# Altium PCB xe.PcbDoc (part 1 of 2)
Units mm, origin at the board's own origin, x right, y up, seen from the top; angles counter-clockwise.
Board outline 100.01 x 100.01 mm, 2 copper layers (Top Layer, Bottom Layer); 138 components, 83 nets, 412 pads, 42 vias.
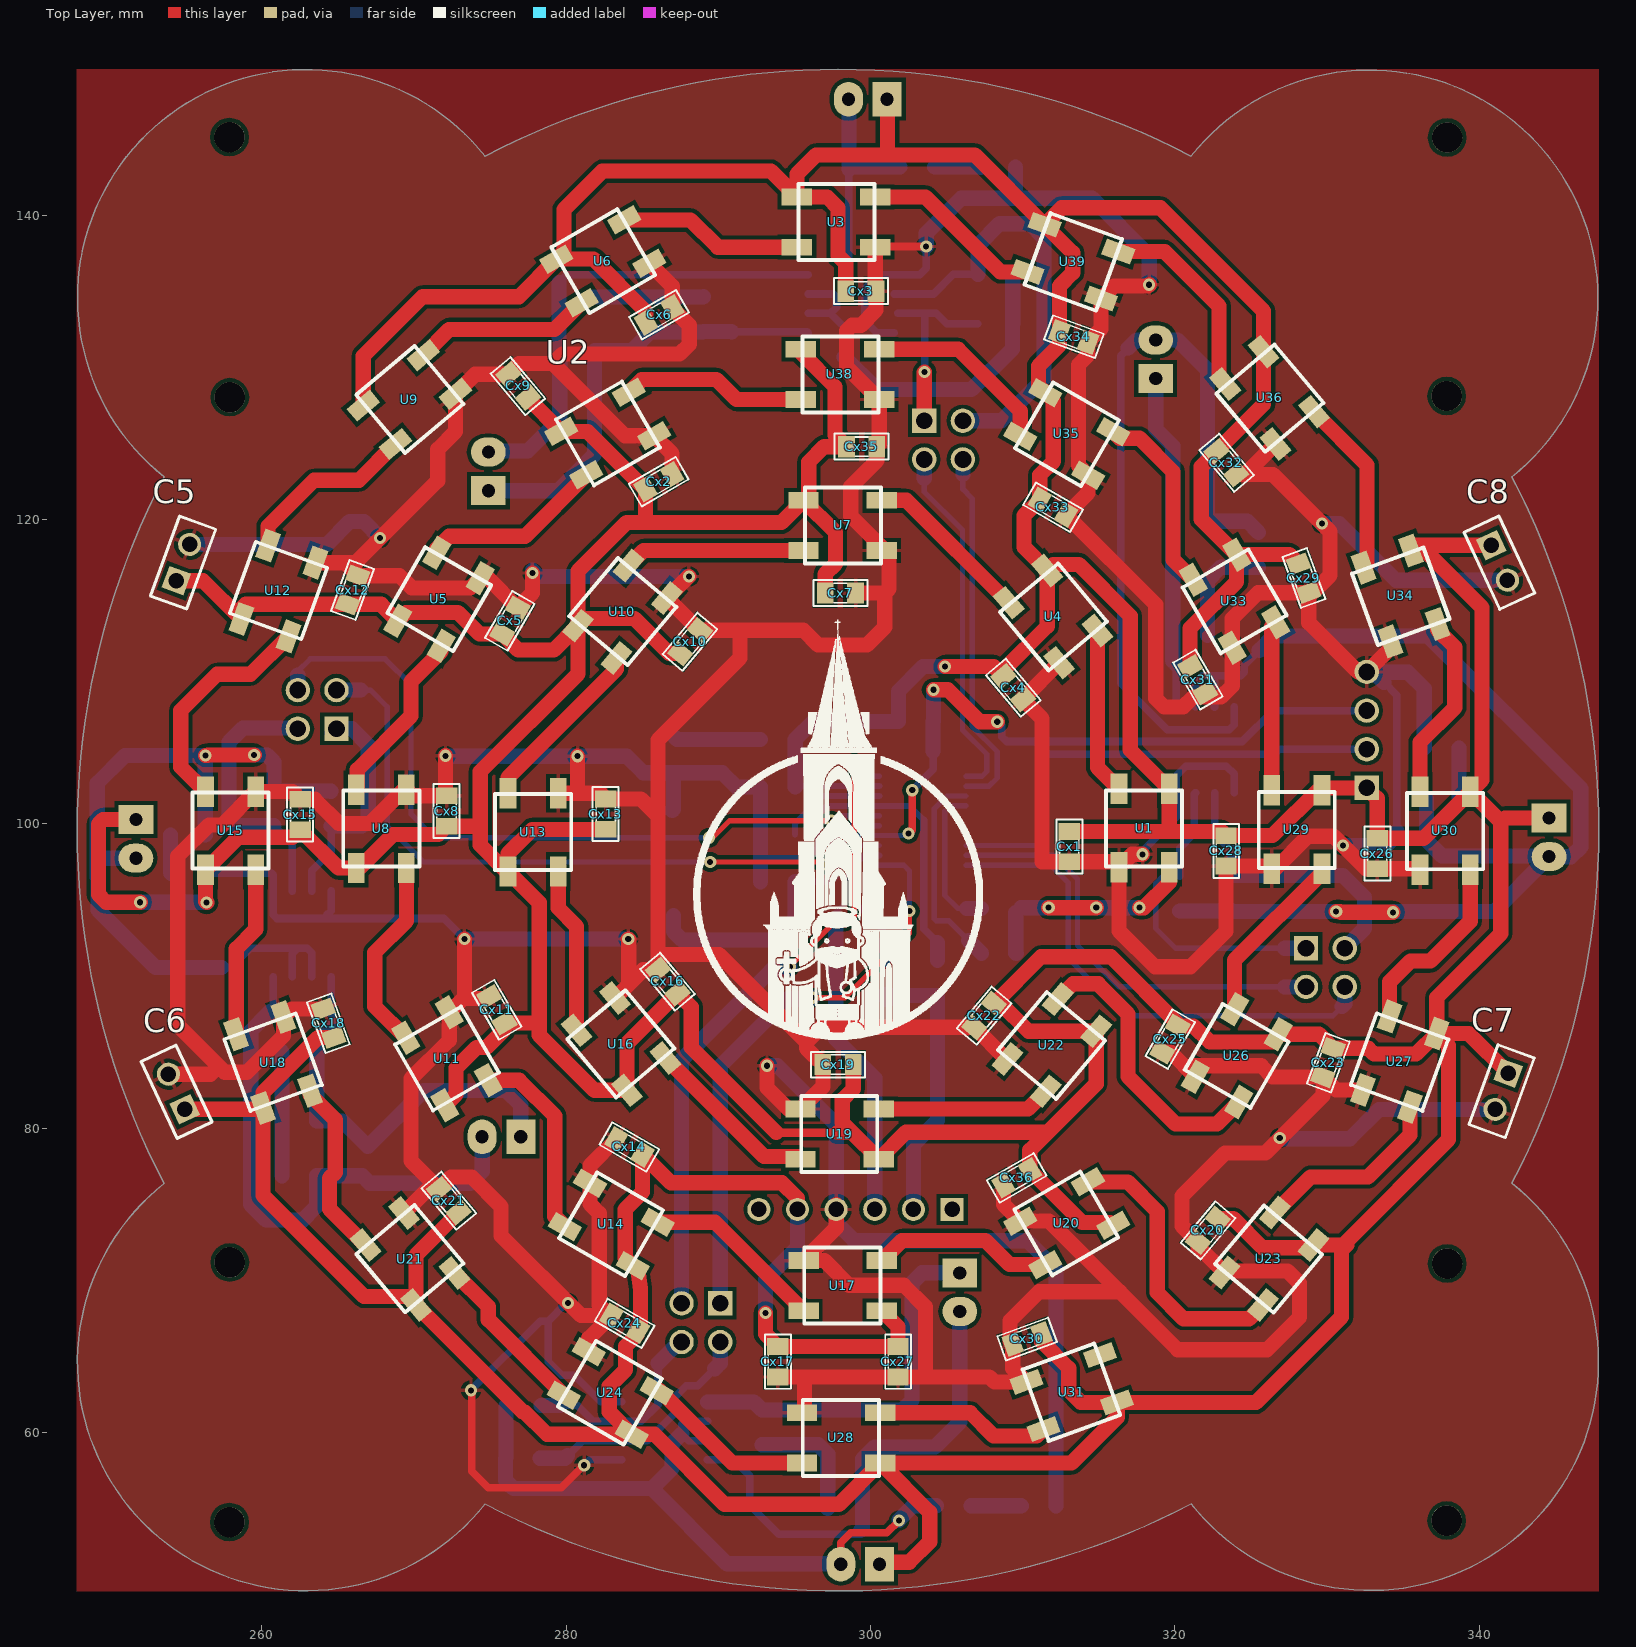
[diagram p0: Top Layer view]
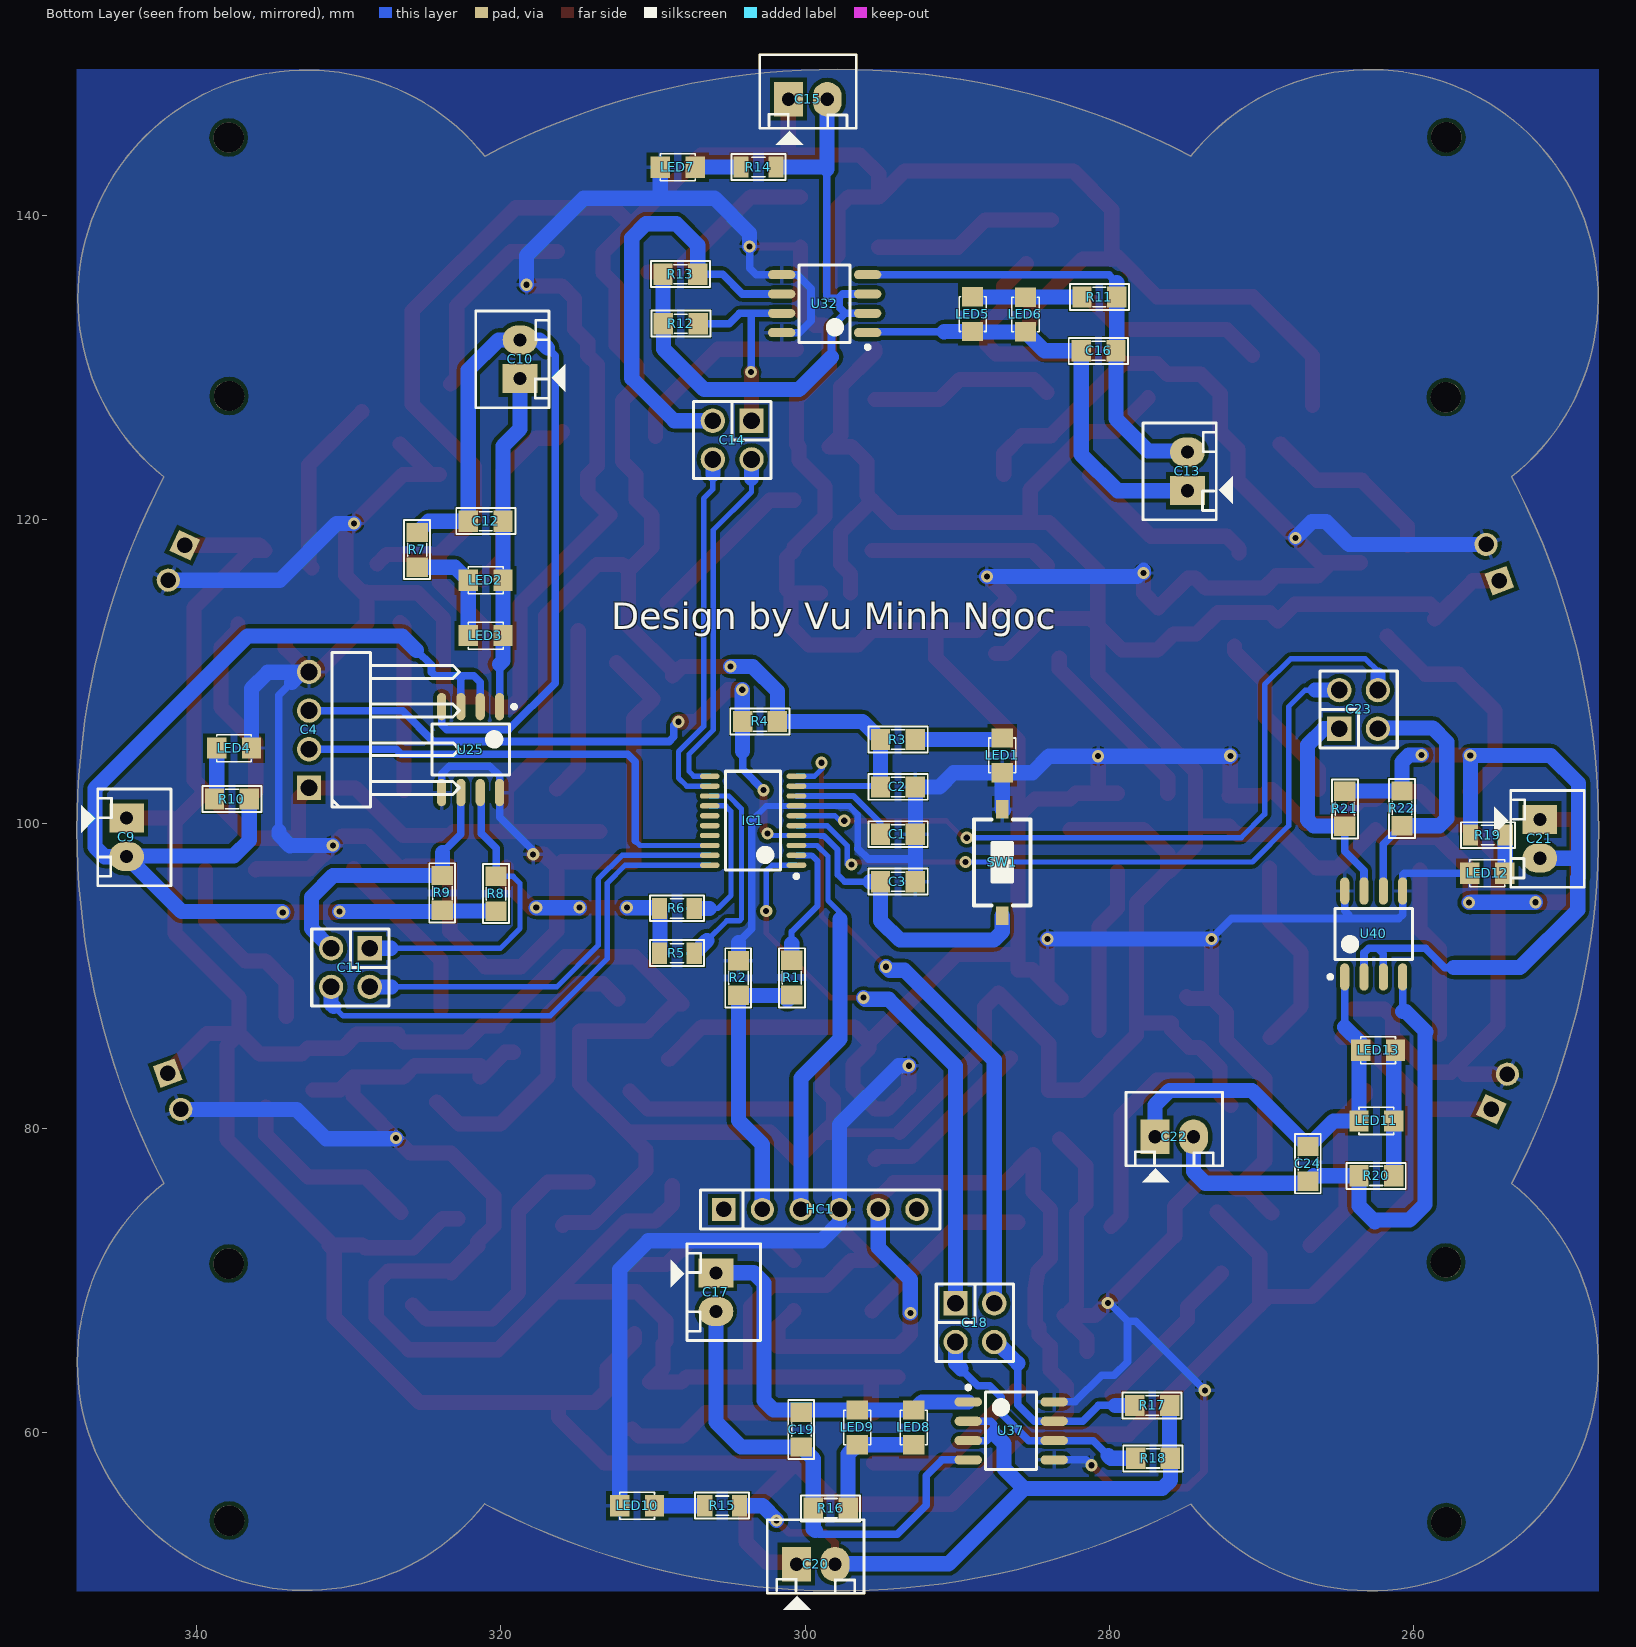
[diagram p1: Bottom Layer view, seen from below]
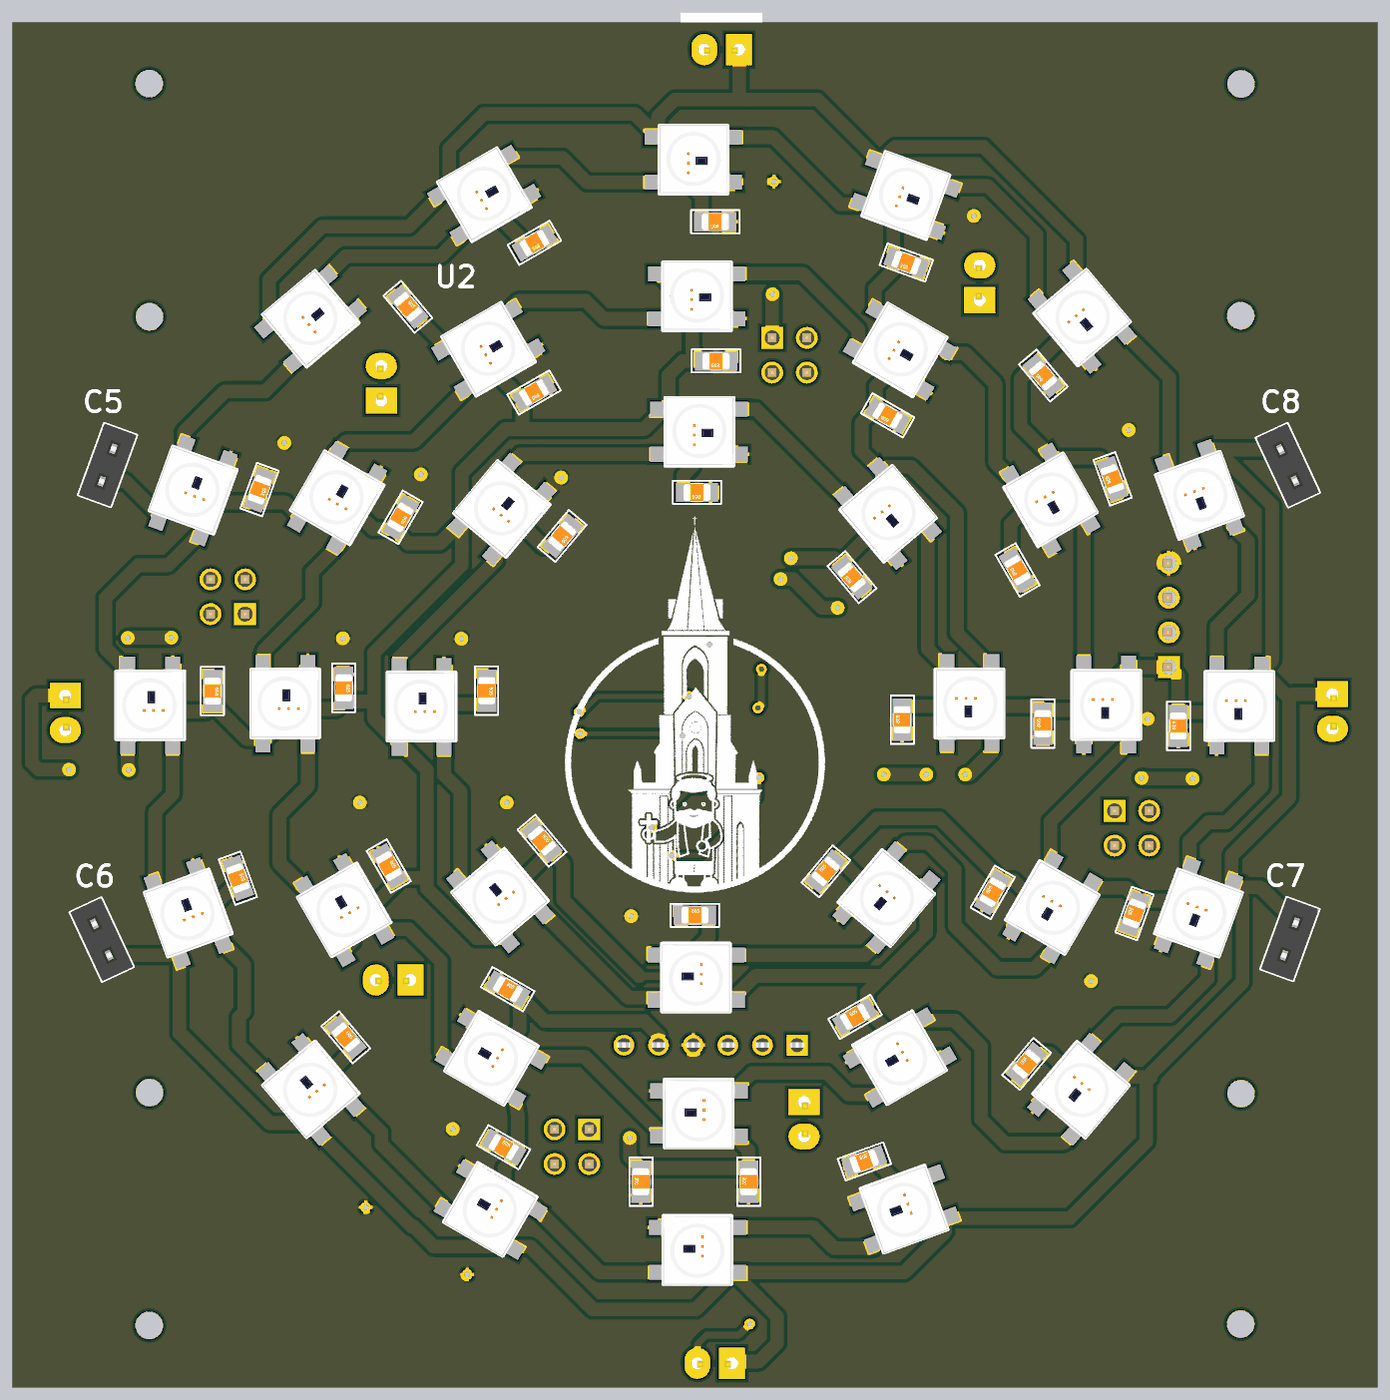
[diagram p3: 3D render of the assembled board from above, using the file's embedded part models]
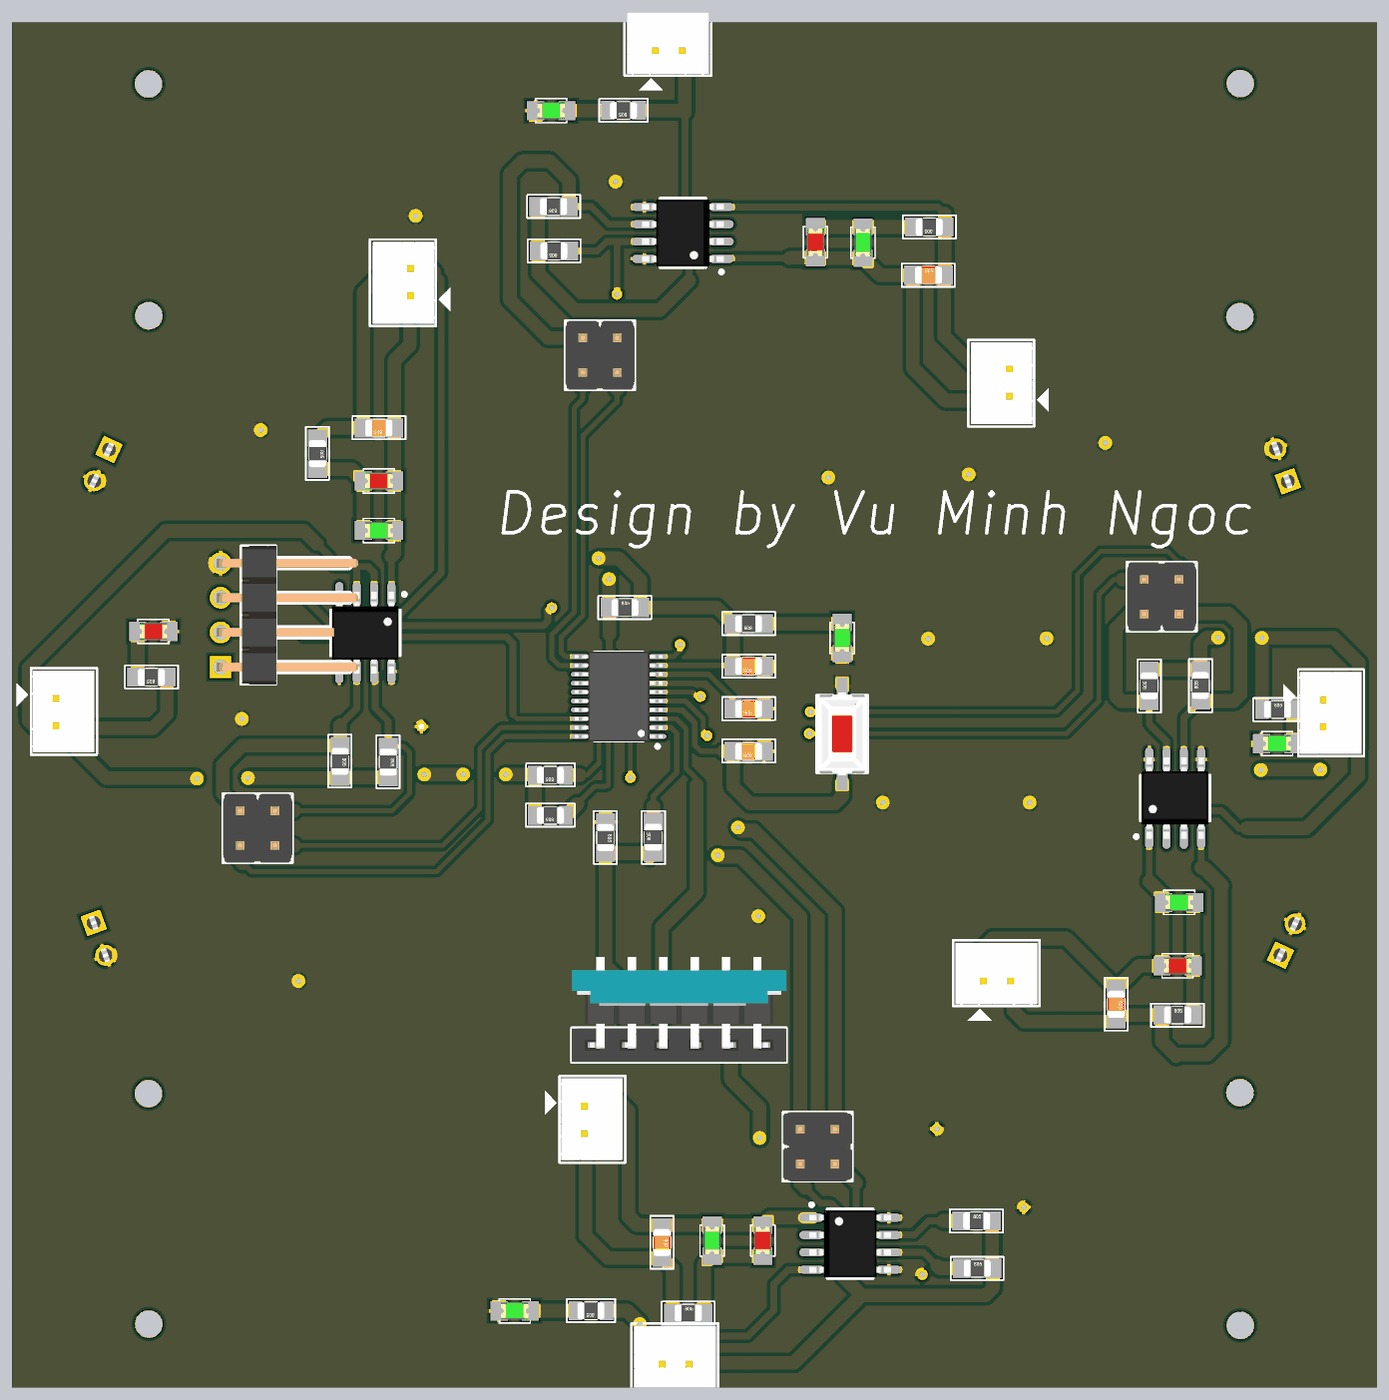
[diagram p4: 3D render of the assembled board from below, using the file's embedded part models]

## Layer stack, top to bottom
Top Solder: solder mask 0.0102, Solder Resist, Dk 3.5
Top Layer: signal copper 0.0356
Dielectric 1: dielectric 0.32, FR-4, Dk 4.8
Bottom Layer: signal copper 0.0356
Bottom Solder: solder mask 0.0102, Solder Resist, Dk 3.5

## Board outline
253.571,76.364 ccw(c262.874,64.59) 266.987,50.157 ccw(c262.876,64.59) 274.653,55.289 ccw(c297.859,99.586) 311.563,51.494 ccw(c297.86,99.586) 321.075,55.295 ccw(c332.837,64.615) 336.95,50.183 ccw(c332.838,64.615) 347.845,64.615 ccw(c332.838,64.615) 342.156,76.379 ccw(c297.86,99.586) 347.867,99.586 ccw(c297.86,99.586) 342.151,122.802 ccw(c332.802,134.54) 347.808,134.54 ccw(c332.802,134.54) 328.689,148.972 ccw(c332.8,134.54) 321.059,143.886 ccw(c297.86,99.586) 297.864,149.593 ccw(c297.863,149.586) 297.862,149.593 ccw(c297.86,99.586) 284.156,147.679 ccw(c297.859,99.586) 274.653,143.882 ccw(c262.885,134.57) 258.772,149.002 ccw(c262.884,134.57) 253.569,122.804 ccw(c297.859,99.586)

## Design rules (kind name [scope] priority, off if disabled: settings)
Clearance [All] p1: gap=0.254 ignorepadtopadclearanceinfootprint=FALSE except(0: Arc-Hole Track-Hole SMDPad-Hole THPad-Hole Via-Hole Fill-Hole Poly-Hole Region-Hole Text-Hole)
PolygonConnect [All] p1: connectstyle=Relief reliefconductorwidth=0.254 reliefentries=4 polygonreliefangle="90 Angle" airgapwidth=0.254
RoutingVias [All] p1: holewidth=0.8 width=1 viastyle="Through Hole" minholewidth=0.2 minwidth=0.2 maxholewidth=0.4 maxwidth=0.8
SolderMaskExpansion [All] p1: expansion=0.102
UnRoutedNet [All] p1: checkbadconnections=TRUE
Width [All] p1: maxlimit=1 minlimit=0.35 preferedwidth=0.5
29 further rules are at their usual default settings.

## Classes and differential pairs
component class xe: C1 C2 C3 C4 C6 C9 C10 C12 C13 C14 C15 C16 C18 C19 C20 C21 C22 C23 C24 Cx1 Cx2 Cx3 Cx4 Cx5 Cx6 Cx7 Cx8 Cx9 Cx10 Cx11 Cx12 Cx13 Cx14 Cx15 Cx16 Cx17 Cx18 Cx19 Cx21 Cx24 Cx26 Cx28 Cx29 Cx31 Cx32 Cx33 Cx34 Cx35 Cx37 Cx38 IC1 LED1 LED2 LED3 LED4 LED5 LED6 LED7 LED8 LED9 LED11 LED12 LED13 R3 R4 R7 R10 R11 R12 R13 R14 R16 R17 R18 R19 R20 R21 R22 SW1 U1 U2 U3 U4 U5 U6 U7 U8 U9 U10 U11 U12 U13 U14 U15 U16 U18 U21 U24 U25 U28 U29 U30 U31 U32 U33 U34 U35 U36 U37 U38 U39 U40 U42

## Components (designator, comment, footprint, x,y, rotation, side; value= is the part's Value field where it differs from the comment)
C1 "104" SM-CAP-0805 292.76,99.306 r0 bottom value=0,1uF/300V
C2 "104" SM-CAP-0805 292.76,102.421 r0 bottom value=0,1uF/300V
C3 "104" SM-CAP-0805 292.76,96.19 r0 bottom value=0,1uF/300V
C4 "JP4" JP4-D1C 330.073,111.252 r90 bottom
C5 "JP2" JP2-C1T 254.376,115.977 r70 top
C6 "JP2" JP2-C1T 254.921,81.239 r115 top
C7 "JP2" JP2-C1T 341.915,83.616 r250 top
C8 "JP2" JP2-C1T 340.792,118.313 r295 top
C9 "Header2" Header2 344.602,100.381 r270 bottom
C10 "Header2" Header2 318.745,129.261 r90 bottom
C11 "JP2x2" JP2-D2T 329.895,90.551 r0 bottom
C12 "10uf" SM-CAP-0805 319.862,119.888 r0 bottom value=0,1uF/300V
C13 "Header2" Header2 274.879,121.895 r90 bottom
C14 "JP2x2" JP2-D2T 304.8,125.222 r0 bottom
C15 "Header2" Header2 301.092,147.625 r180 bottom
C16 "10uf" SM-CAP-0805 281.864,131.089 r180 bottom value=0,1uF/300V
C17 "Header2" Header2 305.867,70.485 r270 bottom
C18 "JP2x2" JP2-D2T 288.849,67.208 r270 bottom
C19 "10uf" SM-CAP-0805 300.253,61.328 r270 bottom value=0,1uF/300V
C20 "Header2" Header2 300.584,51.333 r180 bottom
C21 "Header2" Header2 251.714,100.279 r270 bottom
C22 "Header2" Header2 277.012,79.426 r180 bottom
C23 "JP2x2" JP2-D2T 263.627,107.518 r180 bottom
C24 "10uf" SM-CAP-0805 266.954,78.791 r270 bottom value=0,1uF/300V
Cx1 "104" CN-SMD-0805 313.055,98.501 r90 top value=33pF
Cx2 "104" CN-SMD-0805 286.08,122.479 r210 top value=33pF
Cx3 "104" CN-SMD-0805 299.364,135.001 r180 top value=33pF
Cx4 "104" CN-SMD-0805 309.372,108.941 r130 top value=33pF
Cx5 "104" CN-SMD-0805 276.301,113.335 r240 top value=33pF
Cx6 "104" CN-SMD-0805 286.106,133.452 r210 top value=33pF
Cx7 "104" CN-SMD-0805 298.018,115.164 r180 top value=33pF
Cx8 "104" CN-SMD-0805 272.136,100.838 r270 top value=33pF
Cx9 "104" CN-SMD-0805 276.835,128.778 r310 top value=33pF
Cx10 "104" CN-SMD-0805 288.138,111.963 r230 top value=33pF
Cx11 "104" CN-SMD-0805 275.438,87.782 r300 top value=33pF
Cx12 "104" CN-SMD-0805 265.963,115.367 r250 top value=33pF
Cx13 "104" CN-SMD-0805 282.6,100.635 r270 top value=33pF
Cx14 "104" CN-SMD-0805 284.15,78.765 r330 top value=33pF
Cx15 "104" CN-SMD-0805 262.509,100.609 r270 top value=33pF
Cx16 "104" CN-SMD-0805 286.664,89.637 r310 top value=33pF
Cx17 "104" CN-SMD-0805 293.903,64.643 r90 top value=33pF
Cx18 "104" CN-SMD-0805 264.377,86.893 r290 top value=33pF
Cx19 "104" CN-SMD-0805 297.866,84.176 r0 top value=33pF
Cx20 "104" CN-SMD-0805 322.174,73.279 r50 top value=33pF
Cx21 "104" CN-SMD-0805 272.288,75.235 r310 top value=33pF
Cx22 "104" CN-SMD-0805 307.459,87.397 r50 top value=33pF
Cx23 "104" CN-SMD-0805 330.073,84.303 r70 top value=33pF
Cx24 "104" CN-SMD-0805 283.842,67.175 r330 top value=33pF
Cx25 "104" CN-SMD-0805 319.684,85.852 r60 top value=33pF
Cx26 "104" CN-SMD-0805 333.299,98.044 r90 top value=33pF
Cx27 "104" CN-SMD-0805 301.803,64.643 r90 top value=33pF
Cx28 "104" CN-SMD-0805 323.367,98.222 r90 top value=33pF
Cx29 "104" CN-SMD-0805 328.473,116.154 r110 top value=33pF
Cx30 "104" CN-SMD-0805 310.286,66.142 r20 top value=33pF
Cx31 "104" CN-SMD-0805 321.505,109.472 r120 top value=33pF
Cx32 "104" CN-SMD-0805 323.393,123.723 r130 top value=33pF
Cx33 "104" CN-SMD-0805 311.988,120.802 r150 top value=33pF
Cx34 "104" CN-SMD-0805 313.36,132.004 r160 top value=33pF
Cx35 "104" CN-SMD-0805 299.415,124.79 r180 top value=33pF
Cx36 "104" CN-SMD-0805 309.601,76.733 r30 top value=33pF
HC1 "HC06" HC06 299.136,74.651 r180 bottom
IC1 "STM8S003F3P6" TSSOP20 303.428,100.203 r0 bottom value=24Cxx
LED1 "LED SMD" SM-LED-0805-Green 287.045,105.639 r270 bottom
LED2 "LED" LED-0805-Red 322.148,116.002 r180 bottom value="LED 3 - 5 ly 2 Colour"
LED3 "LED" LED-0805-Green 319.862,112.37 r0 bottom value="LED 3 - 5 ly 2 Colour"
LED4 "LED" LED-0805-Red 338.684,104.978 r180 bottom value="LED 3 - 5 ly 2 Colour"
LED5 "LED" LED-0805-Red 289.001,134.645 r270 bottom value="LED 3 - 5 ly 2 Colour"
LED6 "LED" LED-0805-Green 285.521,132.334 r90 bottom value="LED 3 - 5 ly 2 Colour"
LED7 "LED" LED-0805-Green 307.238,143.154 r0 bottom value="LED 3 - 5 ly 2 Colour"
LED8 "LED" LED-0805-Red 292.862,59.182 r90 bottom value="LED 3 - 5 ly 2 Colour"
LED9 "LED" LED-0805-Green 296.577,61.468 r270 bottom value="LED 3 - 5 ly 2 Colour"
LED10 "LED" LED-0805-Green 309.905,55.169 r0 bottom value="LED 3 - 5 ly 2 Colour"
LED11 "LED" LED-0805-Red 261.315,80.467 r0 bottom value="LED 3 - 5 ly 2 Colour"
LED12 "LED" LED-0805-Green 254.025,96.749 r0 bottom value="LED 3 - 5 ly 2 Colour"
LED13 "LED" LED-0805-Green 263.487,85.115 r180 bottom value="LED 3 - 5 ly 2 Colour"
R1 "1k" SM-RES-0805 300.888,88.748 r90 bottom value="R1/4W - 1K"
R2 "2k" SM-RES-0805 304.394,91.008 r270 bottom value="R1/4W - 1K"
R3 "1k" SM-RES-0805 292.76,105.537 r0 bottom value="R1/4W - 1K"
R4 "1k" SM-RES-0805 304.114,106.731 r180 bottom value="R1/4W - 1K"
R5 "Res" RES-SMD-0805 308.432,91.491 r0 bottom
R6 "Res" RES-SMD-0805 308.432,94.437 r0 bottom
R7 "10k" SM-RES-0805 325.501,119.151 r270 bottom value="R1/4W - 1K"
R8 "1k" SM-RES-0805 320.319,96.545 r270 bottom value="R1/4W - 1K"
R9 "1k" SM-RES-0805 323.85,96.596 r270 bottom value="R1/4W - 1K"
R10 "1k" SM-RES-0805 336.537,101.625 r0 bottom value="R1/4W - 1K"
R11 "10k" SM-RES-0805 279.527,134.62 r0 bottom value="R1/4W - 1K"
R12 "1k" SM-RES-0805 307.035,132.867 r0 bottom value="R1/4W - 1K"
R13 "1k" SM-RES-0805 307.061,136.119 r0 bottom value="R1/4W - 1K"
R14 "Res" RES-SMD-0805 303.073,143.167 r0 bottom
R15 "Res" RES-SMD-0805 305.46,55.181 r0 bottom
R16 "10k" SM-RES-0805 299.466,55.016 r180 bottom value="R1/4W - 1K"
R17 "1k" SM-RES-0805 278.333,61.773 r180 bottom value="R1/4W - 1K"
R18 "1k" SM-RES-0805 278.282,58.293 r180 bottom value="R1/4W - 1K"
R19 "Res" RES-SMD-0805 255.13,99.263 r180 bottom
R20 "10k" SM-RES-0805 263.601,76.86 r180 bottom value="R1/4W - 1K"
R21 "1k" SM-RES-0805 264.541,99.847 r90 bottom value="R1/4W - 1K"
R22 "1k" SM-RES-0805 260.782,99.873 r90 bottom value="R1/4W - 1K"
SW1 "SW" SW1-SMD 287.045,97.46 r90 bottom value="SW chip 2 pin"
U1 "WS2812b" "PCBComponent_1 - duplicate" 318.008,99.695 r270 top
U2 "WS2812b" "PCBComponent_1 - duplicate" 282.727,125.679 r30 top
U3 "WS2812b" "PCBComponent_1 - duplicate" 297.764,139.573 r0 top
U4 "WS2812b" "PCBComponent_1 - duplicate" 312.039,113.614 r310 top
U5 "WS2812b" "PCBComponent_1 - duplicate" 271.628,114.783 r60 top
U6 "WS2812b" "PCBComponent_1 - duplicate" 282.423,137.008 r30 top
U7 "WS2812b" "PCBComponent_1 - duplicate" 298.196,119.634 r0 top
U8 "WS2812b" "PCBComponent_1 - duplicate" 267.818,99.695 r90 top
U9 "WS2812b" "PCBComponent_1 - duplicate" 269.697,127.914 r40 top
U10 "WS2812b" "PCBComponent_1 - duplicate" 283.693,113.97 r50 top
U11 "WS2812b" "PCBComponent_1 - duplicate" 272.136,84.557 r120 top
U12 "WS2812b" "PCBComponent_1 - duplicate" 261.061,115.341 r70 top
U13 "WS2812b" "PCBComponent_1 - duplicate" 277.8,99.466 r90 top
U14 "WS2812b" "PCBComponent_1 - duplicate" 282.931,73.66 r150 top
U15 "WS2812b" "PCBComponent_1 - duplicate" 257.912,99.568 r90 top
U16 "WS2812b" "PCBComponent_1 - duplicate" 283.566,85.522 r130 top
U17 "WS2812b" "PCBComponent_1 - duplicate" 298.145,69.621 r180 top
U18 "WS2812b" "PCBComponent_1 - duplicate" 260.706,84.328 r110 top
U19 "WS2812b" "PCBComponent_1 - duplicate" 297.942,79.578 r180 top
U20 "WS2812b" "PCBComponent_1 - duplicate" 312.877,73.711 r210 top
U21 "WS2812b" "PCBComponent_1 - duplicate" 269.697,71.399 r130 top
U22 "WS2812b" "PCBComponent_1 - duplicate" 311.912,85.42 r230 top
U23 "WS2812b" "PCBComponent_1 - duplicate" 326.187,71.374 r230 top
U24 "WS2812b" "PCBComponent_1 - duplicate" 282.854,62.586 r150 top
U25 "L9110" SO8 321.996,104.877 r270 bottom
U26 "WS2812b" "PCBComponent_1 - duplicate" 324.079,84.734 r240 top
U27 "WS2812b" "PCBComponent_1 - duplicate" 334.797,84.328 r250 top
U28 "WS2812b" "PCBComponent_1 - duplicate" 298.044,59.614 r180 top
U29 "WS2812b" "PCBComponent_1 - duplicate" 328.041,99.593 r270 top
U30 "WS2812b" "PCBComponent_1 - duplicate" 337.795,99.517 r270 top
U31 "WS2812b" "PCBComponent_1 - duplicate" 313.207,62.611 r200 top
U32 "L9110" SO8 298.724,134.188 r0 bottom
U33 "WS2812b" "PCBComponent_1 - duplicate" 323.952,114.63 r300 top
U34 "WS2812b" "PCBComponent_1 - duplicate" 334.874,114.96 r290 top
U35 "WS2812b" "PCBComponent_1 - duplicate" 312.928,125.628 r330 top
U36 "WS2812b" "PCBComponent_1 - duplicate" 326.263,127.991 r310 top
U37 "L9110" SO8 286.461,60.096 r180 bottom
U38 "WS2812b" "PCBComponent_1 - duplicate" 298.018,129.565 r0 top
U39 "WS2812b" "PCBComponent_1 - duplicate" 313.334,136.957 r340 top
U40 "L9110" SO8 262.636,92.761 r90 bottom

## Footprints (in the part's own frame and the unit in brackets; to place one, negate y for a bottom-side part, rotate by r counter-clockwise, add the part's x,y. Pads: shape width x height; smd on the part's side, far side on the other; paste and mask are expansions set on the pad)
CN-SMD-0805 [mm]
  rect 1.1x1.397 smd: 1(-1,0) 2(1,0)
  silkscreen extent -1.78,-0.86 1.78,0.84, body extent -1,-0.62 1,0.63, height 0.8
HC06 [mm]
  rect 1.52x1.52 hole 1.02: 1(-6.223,0)
  round 1.52 hole 1.02: 2(-3.683,0) 3(-1.143,0) 4(1.397,0) 5(3.937,0) 6(6.477,0)
  silkscreen extent -7.74,-1.27 8,1.27, body extent -7.74,-1.25 8,6.48, height 46
Header2 [mil] "CON2"
  rect 75x90 hole 34: 1(0,0)
  oval 75x90 hole 34: 2(100,0)
  silkscreen extent -75,-118 175,115, body extent -68,-70 168,107, height 236
JP2-C1T [mm] "2 row, straight, gold plating"
  rect 1.52x1.52 hole 1.02: 1(0,0)
  round 1.52 hole 1.02: 2(2.54,0)
  silkscreen extent -1.52,-1.27 4.06,1.27, body extent -1.52,-1.25 4.06,1.25, height 8.51
JP2-D2T [mm] "4 pins, dual pin, straight, gold plating"
  rect 1.6x1.6 hole 1.1: 1(-1.27,-1.27)
  round 1.6 hole 1.1: 2(1.27,-1.27) 3(1.27,1.27) 4(-1.27,1.27)
  silkscreen extent -2.54,-2.54 2.54,2.54, body extent -2.54,-2.54 2.54,2.54, height 8.55
JP4-D1C [mm] "4 pins, 1 row, right angled, gold plating"
  rect 1.6x1.6 hole 1.1: 1(-8.89,2.54)
  round 1.6 hole 1.1: 2(-6.35,2.54) 3(-3.81,2.54) 4(-1.27,2.54)
  silkscreen extent -10.16,-7.34 0,1.04, body extent -10.16,-7.57 0,2.79, height 2.54
LED-0805-Green [mil]
  rect 50x55 smd: 1(0,0) 2(90,0)
  silkscreen extent 0,-35 90,35, body extent 5,-25 85,25, height 43
LED-0805-Red [mil]
  rect 50x55 smd: 1(0,0) 2(90,0)
  silkscreen extent 0,-35 90,35, body extent 5,-25 85,25, height 43
"PCBComponent_1 - duplicate" [mm]
  rect 2x1.1 smd: 1(-2.602,1.627) 2(-2.602,-1.673) 3(2.548,-1.673) 4(2.548,1.627)
  silkscreen extent -2.5,-2.52 2.5,2.48, body extent -2.7,-2.46 2.7,2.54, height 1.51
RES-SMD-0805 [mil]
  rect 39.37x55 smd: 1(-45,0) 2(45,0)
  silkscreen extent -70,-34 70,33, body extent -39,-25 39,25, height 31
SM-CAP-0805 [mil]
  rect 50x55 smd: 1(0,0) 2(90,0)
  silkscreen extent -32,-34 121,33, body extent 6,-25 84,25, height 31
SM-LED-0805-Green [mil]
  rect 50x55 smd: 1(0,0) 2(90,0)
  silkscreen extent 0,-35 90,35, body extent 5,-25 85,25, height 43
SM-RES-0805 [mil]
  rect 50x55 smd: 1(0,0) 2(90,0)
  silkscreen extent -32,-34 121,33, body extent 6,-25 84,25, height 31
SO8 [mm] "SOIC, 8-Leads, Body 4.9x3.9mm, Pitch 1.27mm, IPC High Density"
  oval 1.8x0.6 smd: 1(-2.825,1.905) 2(-2.825,0.635) 3(-2.825,-0.635) 4(-2.825,-1.905) 5(2.825,-1.905) 6(2.825,-0.635) 7(2.825,0.635) 8(2.825,1.905)
  silkscreen extent -2.95,-2.55 1.68,2.98, body extent -2.99,-2.45 3,2.45, height 1.6
SW1-SMD [mm]
  rect 1.2x0.8 smd: 1(-3.5,0) 2(3.5,0)
  silkscreen extent -2.82,-1.85 2.82,1.85, body extent -3.05,-1.85 3.05,1.85, height 2.5
TSSOP20 [mm] "TSSOP, 20-Leads, Body 6.50x4.40mm, Pitch 0.65mm, IPC High Density"
  oval 1.3x0.35 smd: 1(-2.85,2.925) 2(-2.85,2.275) 3(-2.85,1.625) 4(-2.85,0.975) 5(-2.85,0.325) 6(-2.85,-0.325) 7(-2.85,-0.975) 8(-2.85,-1.625) 9(-2.85,-2.275) 10(-2.85,-2.925) 11(2.85,-2.925) 12(2.85,-2.275) 13(2.85,-1.625) 14(2.85,-0.975) 15(2.85,-0.325) 16(2.85,0.325) 17(2.85,0.975) 18(2.85,1.625) 19(2.85,2.275) 20(2.85,2.925)
  silkscreen extent -2.97,-3.25 1.8,3.77, body extent -3.23,-3.3 3.23,3.3, height 1.25

## Part data
C1 C2 C3 C12 C16 C19 C24 Cx1 Cx2 Cx3 Cx4 Cx5 Cx6 Cx7 Cx8 Cx9 Cx10 Cx11 Cx12 Cx13 Cx14 Cx15 Cx16 Cx17 Cx18 Cx19 Cx20 Cx21 Cx22 Cx23 Cx24 Cx25 Cx26 Cx27 Cx28 Cx29 Cx30 Cx31 Cx32 Cx33 Cx34 Cx35 Cx36: library part CN
  C1 C2 C3 C12 C16 C19 C24: Designed by=VanDungEvn
C4: "WR-PHD 2.54 mm Angled Socket Header", Manufacturer="Würth Elektronik eiSos GmbH", partNo=613004143121, ComponentLink1 Description=Manufacturer, ComponentLink1URL=http://www.we-online.com, ComponentLink2 Description=Datasheet, ComponentLink2URL=http://katalog.we-online.de/em/datasheet/6130xx143121.pdf, Created by="Karrer Zheng", Created Date="29 March 2013", NoPins=04
C5 C6 C7 C8: "WR-PHD 2.54 mm Angled Socket Header", Manufacturer="Würth Elektronik eiSos GmbH", partNo=613002143121, ComponentLink1 Description=Manufacturer, ComponentLink1URL=http://www.we-online.com, ComponentLink2 Description=Datasheet, ComponentLink2URL=http://katalog.we-online.de/em/datasheet/6130xx143121.pdf, Created by="Karrer Zheng", Created Date="29 March 2013", NoPins=02
C9 C10 C13 C15 C17 C20 C21 C22: "Header IDC, 2 x 1 Pin Vertical 2.54mm Pitch (Non-Boxed, Male)", Manufacturer="Würth Elektronik eiSos GmbH", partNo=613002143121, ComponentLink1 Description=Manufacturer, ComponentLink1URL=http://www.we-online.com, ComponentLink2 Description=Datasheet, ComponentLink2URL=http://katalog.we-online.de/em/datasheet/6130xx143121.pdf, Created by="Karrer Zheng", Created Date="29 March 2013", NoPins=02
C11 C14 C18 C23: "WR-PHD 2.54 mm Dual Socket Header", Manufacturer="Würth Elektronik eiSos GmbH", partNo=61300421821, ComponentLink1 Description=Manufacturer, ComponentLink1URL=http://www.we-online.com, ComponentLink2 Description=Datasheet, ComponentLink2URL=http://katalog.we-online.de/em/datasheet/6130xx21821.pdf, Created by="Karrer Zheng", Created Date="29 March 2013", NoPins=04
HC1: Manufacturer="Würth Elektronik eiSos GmbH", partNo=613004143121, ComponentLink1 Description=Manufacturer, ComponentLink1URL=http://www.we-online.com, ComponentLink2 Description=Datasheet, ComponentLink2URL=http://katalog.we-online.de/em/datasheet/6130xx143121.pdf, Created by="Karrer Zheng", Created Date="29 March 2013", NoPins=04
IC1: "MCU 8BIT  8KB FLASH TSSOP-20", Copyright by=VanDungEvn
LED1: library part LED-SMD-0805
LED2 LED3 LED4 LED5 LED6 LED7 LED8 LED9 LED10 LED11 LED12 LED13: library part "LED SMD"
R1 R2 R3 R4 R7 R8 R9 R10 R11 R12 R13 R16 R17 R18 R20 R21 R22: library part R1/4W, "Resistor 1/4W"
R5 R6 R14 R15 R19: library part Res-SMD, "Resistor", Manufacturer="Generic Components", Class=Passive, Published=08/06/2000, Publisher="Altium Hobart Technology Centre"
SW1: library part SW2, "Switch button 2 pin"
U25 U32 U37 U40: "Half-Bridge Driver"

## Free pads (board coordinates)
  round 2 hole 2: 0(257.861,54.102) 0(257.861,145.136) 0(257.886,71.171) 0(257.886,128.041) 0(337.871,54.204) 0(337.871,128.118) 0(337.896,71.095) 0(337.896,145.11)

## Via types
v1: diameter 0.8, hole 0.4, Top Layer to Bottom Layer, 42 vias

## Nets (pads, with @x,y where several pads share a name; then routed paths per layer and width w, separated by ;. In a path a pad name is that pad's centre, name@x,y a point inside that pad or via, vN(x,y) a via of type N, cw(c..) or ccw(c..) an arc to the next point about the centre after c; other vN are vias at no path point)
DIN: R5.2 R6.2 U1.4 | length 14.6
  Top Layer w1: v1(311.709,94.488) v1(314.833,94.488) ; v1(317.678,94.488) 317.983,94.488 319.635,96.14 U1.4@319.635,97.147
  Bottom Layer w0: R6.2@309.55,94.158 R6.2@309.88,94.488
  Bottom Layer w1: R6.2@309.55,94.158 309.55,91.516 R5.2@309.575,91.491 ; R6.2@309.88,94.488 v1(311.709,94.488) ; v1(314.833,94.488) v1(317.678,94.488)
DIN_1: IC1.14 R6.1 | length 9.8
  Bottom Layer w0.35: IC1.14@306.278,101.178 305.232,101.178 304.876,100.822 304.876,95.301 305.74,94.437 306.299,94.437
  Bottom Layer w1: 306.299,94.437 R6.1@307.289,94.437
DIN_2: IC1.13 R5.1 | length 13.7
  Bottom Layer w0.35: IC1.13@306.278,101.828 305.028,101.828 304.184,100.984 304.184,93.758 304.317,93.624 305.156,93.624 306.451,92.329
  Bottom Layer w1: 306.451,92.329 R5.1@307.289,91.491
GND: C1.1 C2.1 C3.1 C4.4 C5.2 C6.2 C7.2 C8.2 Cx1.1 Cx2.1 Cx3.1 Cx4.1 Cx5.1 Cx6.1 Cx7.1 Cx8.1 Cx9.1 Cx10.1 Cx11.1 Cx12.1 Cx13.1 Cx14.1 Cx15.1 Cx16.1 Cx17.1 Cx18.1 Cx19.1 Cx20.1 Cx21.1 Cx22.1 Cx23.1 Cx24.1 Cx25.1 Cx26.1 Cx27.1 Cx28.1 Cx29.1 Cx30.1 Cx31.1 Cx32.1 Cx33.1 Cx34.1 Cx35.1 Cx36.1 HC1.4 IC1.7 LED1.2 LED4.2 LED7.2 LED10.2 LED12.2 R2.1 SW1.2 U1.3 U2.3 U3.3 U4.3 U5.3 U6.3 U7.3 U8.3 U9.3 U10.3 U11.3 U12.3 U13.3 U14.3 U15.3 U16.3 U17.3 U18.3 U19.3 U20.3 U21.3 U22.3 U23.3 U24.3 U25.5 U25.8 U26.3 U27.3 U28.3 U29.3 U30.3 U31.3 U32.5 U32.8 U33.3 U34.3 U35.3 U36.3 U37.5 U37.8 U38.3 U39.3 U40.5 U40.8 | length 834.1
  Top Layer w0.5: v1(273.736,62.763) 273.736,62.713 273.787,62.662 273.787,57.455 274.879,56.363 279.679,56.363 281.153,57.836 v1(281.178,57.836) ; U3.3@300.312,137.9 300.36,137.947 v1(303.657,137.947) ; Cx28.1@323.367,97.222 Cx28.1@323.748,97.222
  Top Layer w1: C6.2@253.848,83.541 256.616,83.541 257.15,84.074 ; U12.3@263.505,117.164 265.448,117.164 ; Cx18.1@264.035,87.833 261.945,87.833 U18.3@261.406,87.295 261.406,86.07 259.004,83.668 257.556,83.668 257.15,84.074 ; U21.3@269.341,74.427 270.915,76.001 Cx21.1@271.645,76.001 ; v1(272.059,104.47) 272.059,101.914 Cx8.1@272.136,101.838 269.896,101.838 U8.3@269.491,102.243 269.324,102.243 267.106,100.025 265.049,100.025 263.465,101.609 Cx15.1@262.509,101.609 262.002,102.116 U15.3@259.585,102.116 257.392,99.924 256.515,99.924 254.457,97.866 254.457,86.766 257.15,84.074 ; v1(273.304,92.431) 273.304,88.593 273.23,88.519 ; Cx11.1@274.938,88.648 274.808,88.519 273.23,88.519 ; v1(277.774,116.484) 277.774,115.174 Cx5.1@276.801,114.201 274.849,116.153 U5.3@274.35,116.153 273.692,115.494 269.85,115.494 269.037,116.306 Cx12.1@266.306,116.306 265.448,117.164 ; U13.3@279.473,102.014 280.746,102.014 ; v1(280.746,104.445) 280.746,102.014 ; U24.3@281.484,65.308 281.484,66.183 Cx24.1@282.923,67.622 ; 282.524,68.021 282.169,68.377 282.169,74.397 281.56,75.005 U14.3@281.56,76.383 281.56,77.542 Cx14.1@283.284,79.265 ; Cx24.1@282.977,67.675 280.965,67.675 275.717,72.923 275.717,74.854 273.787,76.784 272.429,76.784 Cx21.1@271.645,76.001 ; U16.3@283.209,88.549 284.109,89.449 ; v1(284.074,92.431) 284.109,92.395 284.109,89.449 ; U6.3@285.466,136.833 286.972,135.327 Cx6.1@286.972,133.951 286.972,133.881 288.087,132.766 288.087,131.521 287.452,130.886 279.756,130.886 279.121,130.251 ; Cx2.1@286.946,122.979 286.946,124.329 U2.3@285.771,125.504 283.867,125.504 279.121,130.251 ; v1(288.061,116.256) 288.022,116.256 U10.3@286.612,114.846 288.729,112.729 Cx10.1@288.78,112.729 291.414,112.729 ; v1(293.192,84.099) 293.192,82.652 294.593,81.251 U19.3@295.394,81.251 296.866,82.723 Cx19.1@296.866,84.176 295.799,85.243 295.799,85.658 ; Cx17.1@293.903,63.643 295.656,63.643 ; U28.3@295.496,61.287 295.656,61.447 295.656,63.643 ; HC1.4@297.739,74.955 HC1.4@297.739,74.651 297.739,73.436 U17.3@295.597,71.294 296.98,71.294 298.602,69.672 302.184,69.672 303.606,68.25 303.606,63.643 ; Cx7.1@299.018,115.163 300.939,115.163 ; U3.3@300.312,137.9 300.312,135.053 Cx3.1@300.364,135.001 300.364,133.766 299.364,132.766 298.78,132.766 298.425,132.41 298.425,130.034 U38.3@300.566,127.892 300.566,124.941 Cx35.1@300.415,124.79 300.415,123.885 298.704,122.174 298.704,120.218 300.744,118.178 U7.3@300.744,117.961 301.219,117.486 301.219,115.443 300.939,115.163 ; Cx36.1@308.735,76.234 308.735,74.985 U20.3@309.834,73.886 311.737,73.886 316.382,69.24 ; U22.3@308.993,84.544 308.904,84.544 Cx22.1@306.816,86.631 296.772,86.631 295.799,85.658 ; U4.3@312.395,110.587 310.015,108.206 Cx4.1@310.015,108.175 311.277,106.912 311.277,97.501 Cx1.1@313.055,97.501 315.981,97.501 U1.3@316.335,97.147 ; v1(317.881,97.993) 317.181,97.993 U1.3@316.335,97.147 ; v1(318.313,135.433) 318.237,135.357 316,135.357 U39.3@315.157,134.513 315.157,132.519 Cx34.1@314.299,131.662 314.299,130.81 313.665,130.175 313.665,123.539 U35.3@314.298,122.906 314.298,121.746 Cx33.1@312.854,120.302 318.745,114.412 318.745,108.229 319.303,107.671 320.548,107.671 321.208,108.331 323.037,108.331 323.777,109.071 U33.3@323.777,111.587 323.777,113.49 325.476,115.189 328.803,115.189 328.803,113.22 332.041,109.982 C4.4@332.613,109.982 334.173,111.542 U34.3@334.173,111.994 ; Cx25.1@319.184,84.986 319.734,84.986 U26.3@321.356,83.364 321.356,84.099 325.679,84.099 326.415,83.363 Cx23.1@329.731,83.363 ; Cx28.1@323.367,97.222 323.367,92.938 321.031,90.602 318.694,90.602 316.335,92.961 U1.3@316.335,97.147 ; Cx28.1@323.748,97.222 326.191,97.222 U29.3@326.368,97.045 326.611,97.045 328.752,99.187 330.429,99.187 v1(331.051,98.565) 332.571,97.044 Cx26.1@333.299,97.044 336.047,97.044 U30.3@336.122,96.969 ; Cx32.1@324.035,122.957 Cx32.1@324.613,122.957 ; U36.3@326.619,124.963 Cx32.1@324.613,122.957 ; Cx29.1@328.815,115.215 329.083,115.215 330.2,116.332 330.2,119.202 v1(329.667,119.736) 326.445,122.957 Cx32.1@324.613,122.957 ; U27.3@332.354,82.506 330.588,82.506 Cx23.1@329.731,83.363 ; 265.448,117.164 266.16,117.164 271.551,122.555 271.551,124.612 272.724,125.785 U9.3@272.724,128.271 273.998,129.544 Cx9.1@276.192,129.544 276.899,130.251 279.121,130.251 ; Cx21.1@271.645,76.001 269.799,77.847 269.799,83.261 272.31,85.773 U11.3@272.31,87.6 273.23,88.519 ; 280.746,102.014 282.221,102.014 Cx13.1@282.601,101.635 284.903,101.635 286.022,100.515 ; 284.109,89.449 285.063,90.403 Cx16.1@286.022,90.403 286.022,91.465 ; 286.022,91.465 286.022,100.515 ; 286.022,91.465 286.073,91.415 290.043,91.415 295.799,85.658 ; 286.022,100.515 286.022,105.504 291.414,110.896 291.414,112.729 ; 291.414,112.729 295.576,112.729 296.545,111.76 299.771,111.76 300.939,112.928 300.939,115.163 ; 295.656,63.643 Cx27.1@301.803,63.643 303.606,63.643 ; 303.606,63.643 307.806,63.643 308.138,63.312 U31.3@310.241,63.312 309.347,64.206 Cx30.1@309.347,65.8 309.169,65.978 309.169,67.335 311.074,69.24 316.382,69.24 ; 316.382,69.24 320.192,65.43 326.06,65.43 328.193,67.564 328.193,69.825 327.406,70.612 323.382,70.612 U23.3@323.267,70.498 321.531,72.234 Cx20.1@321.531,72.513 320.472,73.572 320.472,75.54 323.291,78.359 325.958,78.359 329.731,82.132 Cx23.1@329.731,83.363
  Bottom Layer w0.4: 296.545,98.374 296.545,100.609 297.106,101.17 302.563,101.17 303.505,100.228
  Bottom Layer w0.5: LED12.2@256.311,96.749 260.629,96.749 260.731,96.647 U40.5@260.731,95.586 260.731,94.031 260.985,93.777 271.958,93.777 v1(273.304,92.431) ; 264.262,94.005 264.541,94.285 U40.8@264.541,95.586 ; v1(273.736,62.763) 278.282,67.31 278.816,67.31 ; v1(280.111,68.504) 280.01,68.504 278.816,67.31 ; v1(281.178,57.836) 281.534,58.191 U37.5@283.636,58.191 ; U37.8@283.636,62.001 282.27,62.001 280.518,63.754 279.705,63.754 278.816,64.643 278.816,67.31 ; 292.76,97.688 295.859,97.688 296.545,98.374 ; U32.8@301.549,132.283 300.406,132.283 299.618,133.071 299.618,135.179 300.533,136.093 U32.5@301.549,136.093 303.225,136.093 303.657,136.525 v1(303.657,137.947) ; 303.505,100.228 303.505,93.091 304.394,92.202 ; v1(317.881,97.993) 317.881,98.222 320.091,100.432 U25.8@320.091,102.052 320.091,103.149 320.726,103.784 323.393,103.784 323.901,103.276 U25.5@323.901,102.052 ; C4.4@332.613,109.982 333.07,109.982 C4.4@333.096,109.957 ; 333.756,109.296 334.594,108.458 334.594,99.517
  Bottom Layer w1: C5.2@255.245,118.364 264.262,118.364 265.76,119.863 266.7,119.863 v1(267.767,118.796) ; v1(272.059,104.47) 272.085,104.445 v1(280.746,104.445) 283.972,104.445 285.064,103.353 LED1.2@287.045,103.353 ; v1(273.304,92.431) v1(284.074,92.431) ; v1(277.774,116.484) 277.774,116.662 278.181,116.256 v1(288.061,116.256) ; SW1.2@286.969,100.884 SW1.2@287.045,100.96 LED1.2@287.045,103.353 ; C3.1@292.76,96.19 292.76,97.688 C1.1@292.76,99.306 C2.1@292.76,102.421 291.177,102.421 290.246,103.353 LED1.2@287.045,103.353 ; v1(293.192,84.099) 293.878,84.099 297.739,80.239 HC1.4@297.739,74.651 297.739,73.787 298.933,72.593 310.312,72.593 312.191,70.714 LED10.2@312.191,55.169 ; v1(303.657,137.947) 303.657,138.811 305.968,141.122 309.448,141.122 ; R2.1@304.394,91.008 304.394,92.202 ; LED7.2@309.524,143.154 309.524,141.199 309.448,141.122 ; v1(318.313,135.433) 318.313,137.363 314.554,141.122 309.448,141.122 ; v1(326.898,79.35) 326.949,79.299 331.495,79.299 333.426,81.229 C7.2@341.046,81.229 ; v1(329.667,119.736) 330.81,119.736 334.535,116.011 C8.2@341.865,116.011 ; v1(331.051,98.565) 333.845,98.565 333.858,98.552 334.594,99.289 334.594,99.517 ; 333.756,109.296 333.096,109.957 335.331,109.957 336.398,108.89 LED4.2@336.398,104.978
IA1: C11.3 IC1.20 | length 33.3
  Bottom Layer w0.35: IC1.20@306.278,97.278 311.84,97.278 313.004,96.114 313.004,91.135 316.763,87.376 330.378,87.376 330.987,87.986
  Bottom Layer w1: 330.987,87.986 331.165,88.163 C11.3@331.165,89.281
IA2: C14.3 IC1.12 | length 24.1
  Bottom Layer w0.35: 306.07,122.961 306.07,121.996 306.68,121.387 306.68,106.391 308.331,104.74 308.331,103.022 307.786,102.478 IC1.12@306.278,102.478
  Bottom Layer w1: 306.07,122.961 C14.3@306.07,123.952
IA3: C18.1 IC1.1 | length 37.9
  Top Layer w0.35: v1(296.164,88.57) 298.323,88.57 302.565,92.812 v1(302.565,94.259)
  Bottom Layer w0.35: IC1.1@300.578,97.278 302.188,97.278 302.565,96.901 v1(302.565,94.259)
  Bottom Layer w1: C18.1@290.119,68.478 290.119,84.074 294.513,88.468 296.062,88.468 v1(296.164,88.57)
IA4: C23.3 IC1.6 | length 50.2
  Top Layer w0.35: v1(289.382,99.085) 289.611,99.085 290.728,100.203 v1(297.434,100.203)
  Bottom Layer w0.35: 262.357,109.779 262.357,110.033 263.169,110.846 268.097,110.846 269.799,109.144 269.799,100.635 271.348,99.085 v1(289.382,99.085) ; v1@297.586,100.076 298.038,100.528 IC1.6@300.578,100.528
  Bottom Layer w1: C23.3@262.357,108.788 262.357,109.779
IB1: C11.4 IC1.19 | length 28.5
  Bottom Layer w0.35: IC1.19@306.278,97.928 312.044,97.928 313.608,96.364 313.608,92.004 316.332,89.281 327.203,89.281
  Bottom Layer w1: 327.203,89.281 C11.4@328.625,89.281
IB2: C14.4 IC1.11 | length 23.7
  Bottom Layer w0.35: 303.53,122.707 303.53,121.818 306.045,119.304 306.045,106.172 307.645,104.572 307.645,103.454 307.319,103.128 IC1.11@306.278,103.128
  Bottom Layer w1: 303.53,122.707 C14.4@303.53,123.952
IB3: C18.4 IC1.10 | length 43.7
  Top Layer w0.35: v1(294.691,90.602) 297.459,93.37 298.374,93.37 298.933,93.929 v1(298.933,104.013)
  Bottom Layer w0.35: v1(298.933,104.013) 298.933,103.988 298.882,103.937 298.882,103.632 299.386,103.128 IC1.10@300.578,103.128
  Bottom Layer w1: C18.4@287.579,68.478 287.579,84.48 293.472,90.373 294.462,90.373 v1(294.691,90.602)
IB4: C23.4 IC1.5 | length 46.8
  Top Layer w0.35: v1(289.458,97.485) 296.799,97.485 v1(296.951,97.333)
  Bottom Layer w0.35: 266.497,108.788 267.132,108.788 268.224,107.696 268.224,99.873 270.612,97.485 v1(289.458,97.485) ; v1(296.951,97.333) 297.231,97.333 297.231,98.552 298.557,99.878 IC1.5@300.578,99.878
  Bottom Layer w1: C23.4@264.897,108.788 266.497,108.788
NetC10_1: C10.1 C12.1 LED2.2 LED3.1 U25.1 | length 22.1
  Bottom Layer w0.5: U25.1@320.091,107.702 320.091,110.49
  Bottom Layer w1: C10.1@318.745,129.261 318.745,125.959 319.862,124.841 C12.1@319.862,119.888 LED2.2@319.862,116.002 LED3.1@319.862,112.37 319.862,110.719 320.091,110.49
NetC10_2: C10.2 C12.2 R7.1 U25.4 | length 52.1
  Bottom Layer w0.5: 316.941,131.267 316.433,130.759 316.433,109.245 319.507,106.172 323.571,106.172 323.901,106.502 U25.4@323.901,107.702
  Bottom Layer w1: 316.941,131.267 317.475,131.801 C10.2@318.745,131.801 320.167,131.801 322.148,129.819 C12.2@322.148,119.888 324.764,119.888 R7.1@325.501,119.151
NetC11_1: C11.1 R8.1 U25.7 | length 21.1
  Bottom Layer w0.35: R8.1@320.319,96.545 319.202,96.545 318.745,96.088 318.745,93.116 320.04,91.821 327.228,91.821
  Bottom Layer w0.5: R8.1@320.319,96.545 320.319,98.4 321.285,99.365 321.285,101.975 U25.7@321.361,102.052
  Bottom Layer w1: 327.228,91.821 C11.1@328.625,91.821
NetC11_2: C11.2 R9.1 U25.6 | length 19
  Bottom Layer w0.5: U25.6@322.631,102.052 322.631,99.314 323.85,98.095
  Bottom Layer w1: 323.85,98.095 R9.1@323.85,96.596 331.038,96.596 332.461,95.174 332.461,93.116 C11.2@331.165,91.821
NetC13_1: C13.1 C16.1 LED5.2 LED6.1 U32.1 | length 29.4
  Bottom Layer w0.5: 290.881,132.334 295.848,132.334 U32.1@295.899,132.283
  Bottom Layer w1: C13.1@274.879,121.895 279.476,121.895 281.864,124.282 C16.1@281.864,131.089 284.277,131.089 LED6.1@285.521,132.334 288.976,132.334 LED5.2@289.001,132.359 290.855,132.359 290.881,132.334